# Allegro board com_v1_p3.brd (continued)
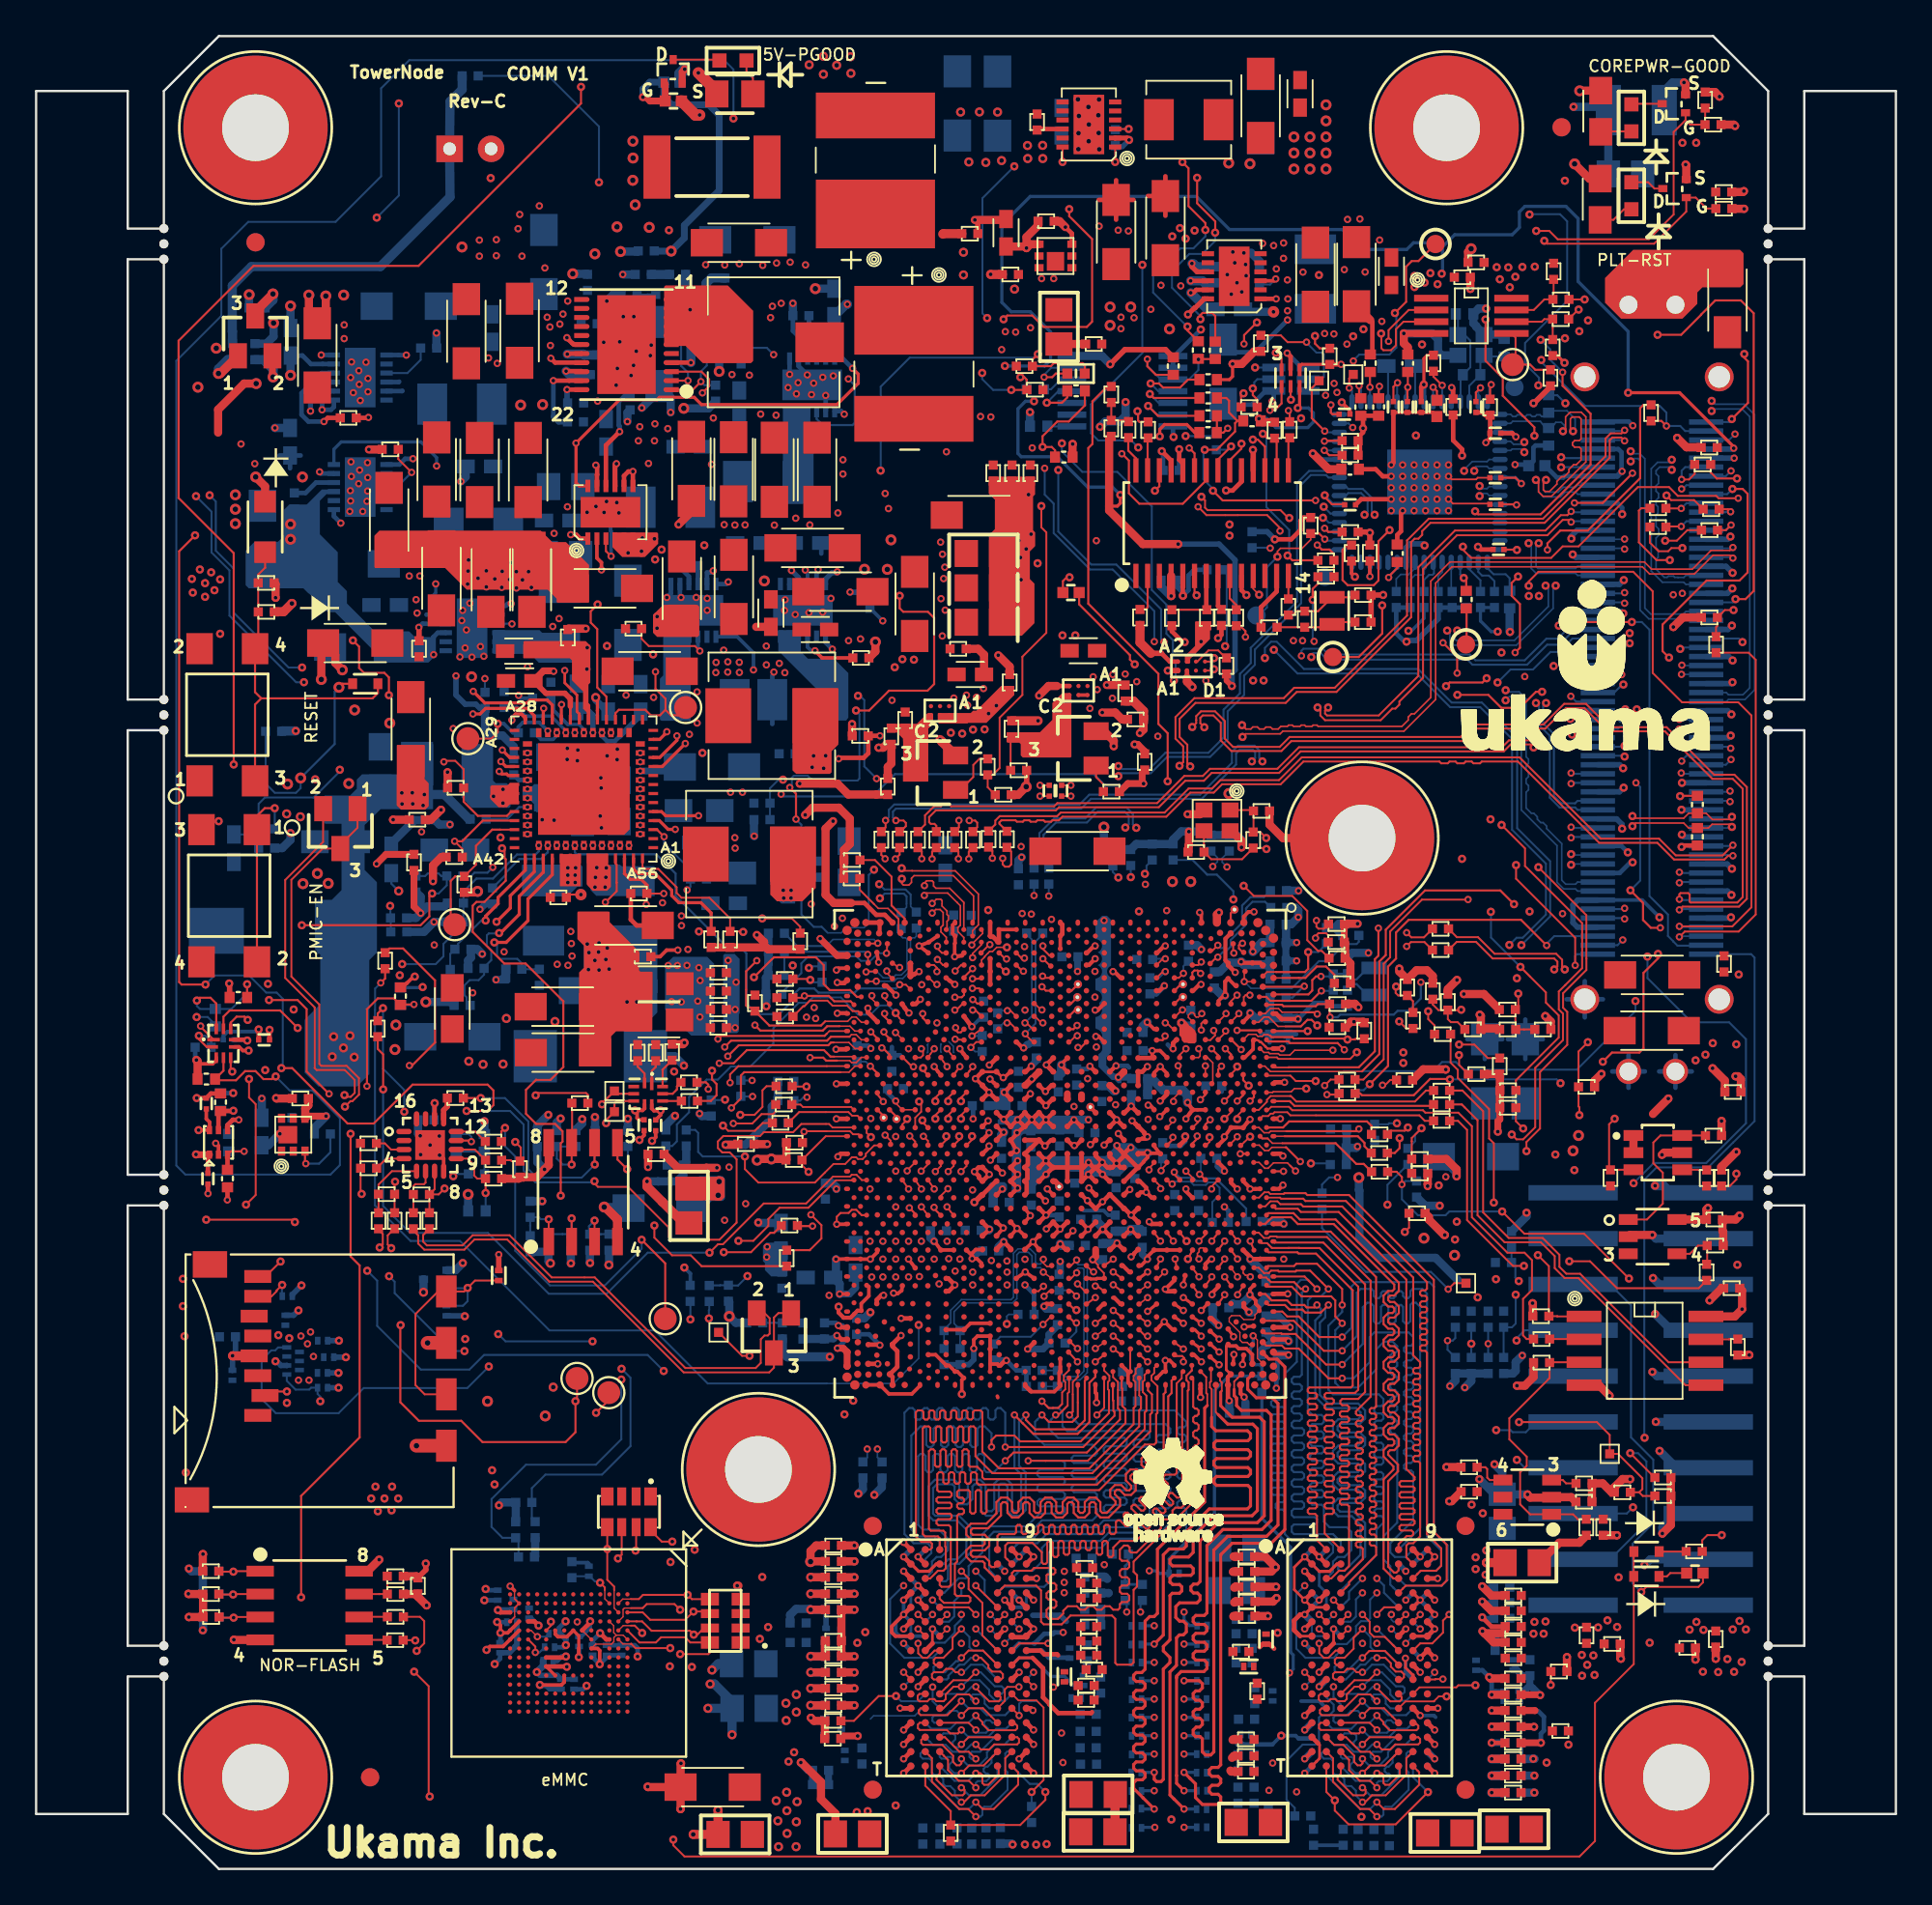
[diagram p0: board, top side]
## Routing (per net, layer and track width the routed paths; a pad name or vN(x,y) marks a point on that pad's centre or on a via; arc(x,y) is an arc through that point) (continued)
  BOTTOM w0.109: U24.H3 75.15,12.45 v2(74.3,13.3)
M_A_DQ21: length 32.9
  TOP w0.114: v2(67.28,34.8) U3C1.C38
  L8_SIG4 w0.102: v2(67.28,34.8) 68.18,34.8 68.18,34.8 69.98,34.8 75.8,28.97 75.8,28.68 75.55,28.43 75.55,28.02 75.8,27.77 75.8,27.36 75.55,27.11 75.55,26.7 75.8,26.45 75.8,26.04 75.55,25.79 75.55,25.38 75.8,25.13 75.8,24.72 75.55,24.47 75.55,24.06 75.8,23.81 75.8,23.4 75.55,23.15 75.55,22.74 75.8,22.49 75.8,22.08 75.55,21.82 75.55,21.42 75.8,21.16 75.8,20.76 75.55,20.5 75.55,20.1 75.8,19.84 75.8,19.44 75.55,19.18 75.55,18.78 75.8,18.52 75.8,18.05 75.52,17.77 75.52,15.73 75.09,15.3 v2(74.3,15.3)
  BOTTOM w0.109: v2(74.3,15.3) 73.92,14.93 73.92,13.89 73.77,13.73 73.42,13.73 73.14,13.45 73.14,12.97 72.63,12.46 71.87,12.46 71.79,12.39 71.78,12.39 U24.H8
M_A_DQ22: length 33
  TOP w0.114: v2(65.86,31.83) U3C1.G44
  L8_SIG4 w0.102: v2(65.86,31.83) 65.86,31.42 66.79,30.5 67.42,30.5 68.18,29.74 68.18,26.43 68.3,26.31 68.45,26.31 68.57,26.19 68.57,26.02 68.45,25.91 68.3,25.91 68.18,25.79 68.18,25.62 68.3,25.5 68.45,25.5 68.57,25.38 68.57,25.21 68.45,25.09 68.3,25.09 68.18,24.97 68.18,24.8 68.3,24.69 68.45,24.69 68.57,24.57 68.57,24.4 68.45,24.28 68.3,24.28 68.18,24.16 68.18,23.99 68.3,23.87 68.45,23.87 68.57,23.75 68.57,23.59 68.45,23.47 68.3,23.47 68.18,23.35 68.18,23.18 68.3,23.06 68.45,23.06 68.57,22.94 68.57,22.77 68.45,22.65 68.3,22.65 68.18,22.53 68.18,22.37 68.3,22.25 68.45,22.25 68.57,22.13 68.57,21.96 68.45,21.84 68.3,21.84 68.18,21.72 68.18,21.55 68.3,21.43 68.45,21.43 68.57,21.32 68.57,21.15 68.45,21.03 68.3,21.03 68.18,20.91 68.18,20.74 68.3,20.62 68.45,20.62 68.57,20.5 68.57,20.33 68.45,20.22 68.3,20.22 68.18,20.1 68.18,19.93 68.3,19.81 68.45,19.81 68.57,19.69 68.57,19.52 68.45,19.4 68.3,19.4 68.18,19.28 68.18,19.12 68.3,19 68.45,19 68.57,18.88 68.57,18.71 68.45,18.59 68.3,18.59 68.18,18.47 68.18,14.88 70.18,12.88 70.94,12.88 75.52,12.88 v2(75.9,12.5)
  BOTTOM w0.109: U24.G2 v2(75.9,12.5)
M_A_DQ23: length 33.1
  TOP w0.114: v2(66.58,31.83) U3C1.D42
  L8_SIG4 w0.102: v2(70.3,15.7) 70.72,16.12 70.72,18.82 69.96,19.58 69.96,20.26 70.08,20.38 70.35,20.38 70.47,20.5 70.47,20.67 70.35,20.79 70.08,20.79 69.96,20.91 69.96,21.08 70.08,21.2 70.35,21.2 70.47,21.32 70.47,21.48 70.35,21.6 70.08,21.6 69.96,21.72 69.96,21.89 70.08,22.01 70.35,22.01 70.47,22.13 70.47,22.3 70.35,22.42 70.08,22.42 69.96,22.53 69.96,22.7 70.08,22.82 70.35,22.82 70.47,22.94 70.47,23.11 70.35,23.23 70.08,23.23 69.96,23.35 69.96,23.52 70.08,23.63 70.35,23.63 70.47,23.75 70.47,23.92 70.35,24.04 70.08,24.04 69.96,24.16 69.96,24.33 70.08,24.45 70.35,24.45 70.47,24.57 70.47,24.73 70.35,24.85 70.08,24.85 69.96,24.97 69.96,25.14 70.08,25.26 70.35,25.26 70.47,25.38 70.47,25.55 70.35,25.67 70.08,25.67 69.96,25.79 69.96,25.95 70.08,26.07 70.35,26.07 70.47,26.19 70.47,26.36 70.35,26.48 70.08,26.48 69.96,26.6 69.96,26.77 70.08,26.89 70.35,26.89 70.47,27 70.47,27.17 70.35,27.29 70.08,27.29 69.96,27.41 69.96,27.58 70.08,27.7 70.35,27.7 70.47,27.82 70.47,28.09 69.67,28.89 69.16,28.89 68.82,29.23 68.82,30.37 67.72,31.48 66.93,31.48 v2(66.58,31.83)
  BOTTOM w0.109: v2(70.3,15.7) 69.84,15.24 69.84,12.21 70.34,11.7 71.9,11.7 72.05,11.86 U24.H7
M_A_DQ24: length 31.7
  TOP w0.114: v2(70.98,32.15) 70.52,32.6 70.29,32.84 U3C1.A41
  BOTTOM w0.114: v2(70.98,32.15) 70.72,32.41 70.47,32.66 70.09,32.66 69.86,32.43 69.86,28.11 69.2,27.45 69.2,26.31 68.91,26.02 68.56,26.02 68.44,25.9 68.44,25.73 68.56,25.61 69.08,25.61 69.2,25.49 69.2,25.32 69.08,25.2 68.56,25.2 68.44,25.08 68.44,24.92 68.56,24.8 69.08,24.8 69.2,24.68 69.2,24.51 69.08,24.39 68.56,24.39 68.44,24.27 68.44,24.1 68.56,23.98 69.08,23.98 69.2,23.86 69.2,23.7 69.08,23.58 68.56,23.58 68.44,23.46 68.44,23.29 68.56,23.17 69.08,23.17 69.2,23.05 69.2,22.88 69.08,22.76 68.56,22.76 68.44,22.64 68.44,22.48 68.56,22.36 69.08,22.36 69.2,22.24 69.2,22.07 69.08,21.95 68.56,21.95 68.44,21.83 68.44,21.66 68.56,21.54 69.08,21.54 69.2,21.43 69.2,21.26 69.08,21.14 68.56,21.14 68.44,21.02 68.44,20.85 68.56,20.73 69.08,20.73 69.2,20.61 69.2,20.44 69.08,20.33 68.79,20.33 68.69,20.22 68.69,20.02 68.79,19.92 69.08,19.92 69.2,19.8 69.2,18.56 69.58,18.18 71.61,18.18 71.87,17.93 71.87,17.54 71.5,17.18 U24.B8
M_A_DQ25: length 31.7
  TOP w0.102: 68.29,32.65 68.16,32.78 67.88,32.78 U3C1.C41
  TOP w0.114: v2(70.34,32.15) 70.09,32.15 69.71,32.53 68.43,32.53 68.31,32.65 68.29,32.65
  BOTTOM w0.114: v2(70.34,32.15) 70.14,31.95 70.14,27.4 70.02,27.28 69.7,27.28 69.58,27.16 69.58,26.99 69.7,26.87 70.02,26.87 70.14,26.75 70.14,26.59 70.02,26.47 69.7,26.47 69.58,26.35 69.58,26.18 69.7,26.06 70.02,26.06 70.14,25.94 70.14,25.77 70.02,25.65 69.7,25.65 69.58,25.54 69.58,25.37 69.7,25.25 70.02,25.25 70.14,25.13 70.14,24.96 70.02,24.84 69.7,24.84 69.58,24.72 69.58,24.55 69.7,24.43 70.15,24.43 70.27,24.32 70.27,24.15 70.15,24.03 69.7,24.03 69.58,23.91 69.58,23.74 69.7,23.62 70.15,23.62 70.27,23.5 70.27,23.33 70.15,23.22 69.7,23.22 69.58,23.1 69.58,22.93 69.7,22.81 70.15,22.81 70.27,22.69 70.27,22.52 70.15,22.4 69.7,22.4 69.58,22.28 69.58,22.12 69.7,22 70.15,22 70.27,21.88 70.27,21.71 70.15,21.59 69.7,21.59 69.58,21.47 69.58,21.3 69.7,21.18 70.15,21.18 70.27,21.06 70.27,20.9 70.15,20.78 69.7,20.78 69.58,20.66 69.58,20.49 69.7,20.37 70.15,20.37 70.27,20.25 70.27,20.08 70.15,19.96 69.7,19.96 69.58,19.85 69.58,19.62 69.7,19.5 70.86,19.5 70.98,19.38 70.98,19.21 70.86,19.09 69.7,19.09 69.58,18.97 69.58,18.69 69.71,18.56 71.87,18.56 72.3,18.13 U24.A7
M_A_DQ26: length 31.8
  TOP w0.114: U3C1.A45 69.06,30.9 69.33,30.63 69.96,30.63 71.11,29.48 v2(72.38,29.48)
  BOTTOM w0.114: U24.C3 75.91,15.7 77.89,15.7 78.22,16.02 78.22,17.93 77.46,18.69 77.46,32.28 77.2,32.53 73.14,32.53 72.88,32.28 72.88,29.99 72.79,29.9 v2(72.38,29.48)
M_A_DQ27: length 31.7
  TOP w0.114: U3C1.B46 69.7,30.38 71.36,28.72 v2(72.38,28.72)
  BOTTOM w0.114: U24.C2 76.58,16.39 76.73,16.53 77.58,16.53 77.86,16.81 77.86,17.65 77.07,18.43 77.07,31.9 76.82,32.15 76.28,32.15 76.16,32.03 76.16,31.76 76.04,31.64 75.87,31.64 75.75,31.76 75.75,31.92 75.65,32.02 75.45,32.02 75.34,31.92 75.34,31.76 75.23,31.64 75.06,31.64 74.94,31.76 74.94,31.92 74.84,32.02 74.63,32.02 74.53,31.92 74.53,31.76 74.41,31.64 74.24,31.64 74.13,31.76 74.13,32.03 74.01,32.15 73.39,32.15 73.19,31.95 73.19,29.53 72.82,29.16 v2(72.38,28.72)
M_A_DQ28: length 31.7
  TOP w0.102: 68.44,33.17 68.31,33.03 68.04,33.03 67.75,33.33 U3C1.C40
  TOP w0.114: 68.44,33.17 68.82,33.17 68.87,33.12 69.78,33.12 69.84,33.17 70.6,33.17 71.27,32.49 v2(71.61,32.15)
  BOTTOM w0.114: U24.C8 71.87,16.47 71.87,17.04 72.12,17.29 72.5,17.29 72.88,17.67 72.88,18.69 72.63,18.94 71.67,18.94 71.36,19.26 71.36,20.07 71.24,20.19 70.72,20.19 70.6,20.31 70.6,20.48 70.72,20.59 71.24,20.59 71.36,20.71 71.36,20.88 71.24,21 70.72,21 70.6,21.12 70.6,21.29 70.72,21.41 71.24,21.41 71.36,21.53 71.36,21.7 71.24,21.81 70.72,21.81 70.6,21.93 70.6,22.1 70.72,22.22 71.24,22.22 71.36,22.34 71.36,22.51 71.24,22.63 70.72,22.63 70.6,22.75 70.6,22.91 70.72,23.03 71.24,23.03 71.36,23.15 71.36,23.32 71.24,23.44 70.72,23.44 70.6,23.56 70.6,23.73 70.72,23.85 71.24,23.85 71.36,23.97 71.36,24.13 71.24,24.25 70.72,24.25 70.6,24.37 70.6,24.54 70.72,24.66 71.24,24.66 71.36,24.78 71.36,25.04 71.23,25.16 70.72,25.16 70.47,25.42 70.47,31.51 70.71,31.75 71.21,31.75 v2(71.61,32.15)
M_A_DQ29: length 31.7
  TOP w0.114: U3C1.B40 68.28,33.42 69.71,33.42 69.84,33.55 70.98,33.55 72.38,32.15 v2(72.38,31.26)
  BOTTOM w0.114: v2(72.38,31.26) 72.38,30.88 71.61,30.12 71.61,26.56 71.87,26.31 74.41,26.31 74.66,26.05 74.66,25.78 74.54,25.66 74.27,25.66 74.15,25.54 74.15,25.37 74.27,25.25 74.54,25.25 74.66,25.13 74.66,24.96 74.54,24.85 74.27,24.85 74.15,24.73 74.15,24.56 74.27,24.44 74.54,24.44 74.66,24.32 74.66,24.15 74.54,24.03 74.27,24.03 74.15,23.91 74.15,23.75 74.27,23.63 74.54,23.63 74.66,23.51 74.66,23.34 74.54,23.22 74.27,23.22 74.15,23.1 74.15,22.93 74.27,22.81 74.54,22.81 74.66,22.69 74.66,22.53 74.54,22.41 74.27,22.41 74.15,22.29 74.15,22.12 74.27,22 74.54,22 74.66,21.88 74.66,21.71 74.54,21.59 74.27,21.59 74.15,21.48 74.15,21.31 74.27,21.19 74.54,21.19 74.66,21.07 74.66,20.9 74.54,20.78 74.27,20.78 74.15,20.66 74.15,20.49 74.27,20.37 74.54,20.37 74.66,20.26 74.66,20.09 74.54,19.97 74.27,19.97 74.15,19.85 74.15,19.68 74.27,19.56 74.54,19.56 74.66,19.44 74.66,19.2 74.28,18.81 74.28,17.42 72.3,15.44
  BOTTOM w0.119: U24.D7 72.3,15.44
M_A_DQ30: length 31.8
  TOP w0.114: v2(72.38,27.2) 71.61,27.2 69.96,28.85 69.2,28.85 69.04,29.01 68.42,29.01 68.42,29.01 68.16,29.01 U3C1.B48
  BOTTOM w0.114: U24.A2 76,17.4 75.89,17.29 75.3,17.29 75.04,17.54 75.04,18.05 76.31,19.32 76.31,21.98 76.19,22.09 75.92,22.09 75.8,22.21 75.8,22.38 75.92,22.5 76.19,22.5 76.31,22.62 76.31,22.79 76.19,22.91 75.92,22.91 75.8,23.03 75.8,23.19 75.92,23.31 76.19,23.31 76.31,23.43 76.31,23.6 76.19,23.72 75.92,23.72 75.8,23.84 75.8,24.01 75.92,24.13 76.19,24.13 76.31,24.25 76.31,24.41 76.19,24.53 75.92,24.53 75.8,24.65 75.8,24.82 75.92,24.94 76.19,24.94 76.31,25.06 76.31,25.23 76.19,25.35 75.92,25.35 75.8,25.46 75.8,25.63 75.92,25.75 76.19,25.75 76.31,25.87 76.31,26.04 76.19,26.16 75.92,26.16 75.8,26.28 75.8,26.45 75.92,26.56 76.19,26.56 76.31,26.68 76.31,26.85 76.19,26.97 75.92,26.97 75.8,27.09 75.8,27.26 75.92,27.38 76.19,27.38 76.31,27.5 76.31,27.66 76.19,27.78 75.92,27.78 75.8,27.9 75.8,28.07 75.92,28.19 76.19,28.19 76.31,28.31 76.31,28.48 76.19,28.6 75.92,28.6 75.8,28.72 75.8,28.88 75.92,29 76.19,29 76.31,29.12 76.31,29.48 76.06,29.74 74.15,29.74 73.9,29.48 73.9,28.09 73.01,27.2 v2(72.38,27.2)
M_A_DQ31: length 31.6
  TOP w0.114: v2(72.38,27.96) 71.49,27.96 69.79,29.65 69.03,29.65 69,29.69 68.09,29.69 U3C1.B47
  BOTTOM w0.114: U24.A3 75.82,18.03 76.69,18.9 76.69,31.16 76.46,31.39 76.27,31.39 76.15,31.27 76.15,30.36 76.03,30.24 75.86,30.24 75.75,30.36 75.75,31.16 75.64,31.26 75.44,31.26 75.34,31.16 75.34,30.36 75.22,30.24 75.05,30.24 74.93,30.36 74.93,31.16 74.83,31.26 74.63,31.26 74.53,31.16 74.53,30.36 74.41,30.24 74.24,30.24 74.12,30.36 74.12,31.21 73.94,31.39 73.77,31.39 73.52,31.13 73.52,29.1 72.81,28.39 v2(72.38,27.96)
M_A_DQ32: length 31.8
  TOP w0.114: U3C1.K52 64.12,27.14 64.12,25.62 64.22,25.52 64.32,25.52 64.42,25.42 64.42,25.21 64.32,25.11 64.22,25.11 64.12,25.01 64.12,24.81 64.22,24.71 64.32,24.71 64.42,24.6 64.42,24.4 64.32,24.3 64.22,24.3 64.12,24.2 64.12,23.99 64.22,23.89 64.3,23.89 64.42,23.77 64.42,23.59 64.32,23.49 64.24,23.49 64.12,23.37 64.12,23.18 64.22,23.08 64.32,23.08 64.42,22.98 64.42,22.77 64.32,22.67 64.22,22.67 64.12,22.57 64.12,22.37 64.22,22.27 64.32,22.27 64.42,22.17 64.42,21.92 64.32,21.82 64.22,21.82 64.12,21.72 64.12,21.53 64.24,21.41 64.32,21.41 64.42,21.31 64.42,20.64 60.82,17.04 60.82,16.47 61.01,16.28 61.01,15.66 60.82,15.47 60.82,11.45 60.69,11.32 59.9,11.32 59.8,11.42 59.8,13.86 59.61,14.05 57.32,14.05 56.83,13.56 55.84,13.56 55.69,13.71 55.69,15.44 55.42,15.7 53.67,15.7 53.54,15.57 U37.D7
M_A_DQ33: length 31.8
  TOP w0.114: U37.C8 54.08,16.11 54.08,16.4 54.2,16.53 55.15,16.53 55.3,16.68 56.38,16.68 56.48,16.59 56.48,16.42 56.38,16.33 56.05,16.33 55.99,16.27 55.99,15.96 56.11,15.84 56.42,15.84 56.53,15.73 56.53,15.5 56.42,15.39 56.11,15.39 55.99,15.27 55.99,15.04 56.11,14.93 56.42,14.93 56.53,14.82 56.53,14.59 56.42,14.47 56.11,14.47 55.99,14.36 55.99,13.99 56.12,13.86 56.63,13.86 56.92,14.15 56.92,14.31 57.17,14.56 57.67,14.56 57.86,14.37 58.12,14.37 58.32,14.56 58.58,14.56 58.77,14.37 59.04,14.37 59.23,14.56 59.5,14.56 59.69,14.37 59.95,14.37 60.06,14.47 60.06,14.68 60.17,14.8 60.46,14.8 60.58,14.91 60.58,15.14 60.46,15.25 60.17,15.25 60.06,15.37 60.06,15.6 60.17,15.71 60.46,15.71 60.58,15.82 60.58,16.05 60.46,16.17 60.17,16.17 60.06,16.28 60.06,16.51 60.17,16.62 60.46,16.62 60.58,16.74 60.58,16.97 60.46,17.08 60.17,17.08 60.06,17.2 60.06,17.7 60.28,17.93 60.49,17.93 60.6,17.82 60.6,17.62 60.68,17.54 60.98,17.54 61.68,18.24 61.68,18.41 61.68,18.41 61.68,18.57 61.84,18.73 62,18.73 62.01,18.73 62.17,18.73 62.33,18.89 62.33,19.05 62.33,19.06 62.33,19.22 62.49,19.38 62.65,19.38 62.65,19.38 62.81,19.38 62.98,19.54 62.98,19.7 62.97,19.7 62.97,19.87 63.13,20.03 63.3,20.03 63.3,20.02 63.46,20.02 64.04,20.61 64.04,21.2 63.82,21.43 63.82,26.51 63.87,26.56 63.87,26.97 63.75,27.09 63.75,27.34 64.04,27.63 U3C1.K51
M_A_DQ34: length 31.7
  TOP w0.086: 61.13,27.14 U3C1.T52
  TOP w0.102: 61.13,27.14 61.13,26.25 61.22,26.16
  TOP w0.114: U37.A3 50.07,18.33 49.97,18.43 49.26,18.43 49.13,18.56 49.13,24.43 49.24,24.53 49.46,24.53 49.55,24.44 49.55,23.73 49.64,23.64 49.77,23.64 49.86,23.73 49.86,24.44 49.95,24.53 50.07,24.53 50.16,24.44 50.16,23.73 50.25,23.64 50.38,23.64 50.47,23.73 50.47,24.44 50.56,24.53 50.68,24.53 50.77,24.44 50.77,23.73 50.86,23.64 50.99,23.64 51.08,23.73 51.08,24.44 51.17,24.53 51.29,24.53 51.38,24.44 51.38,23.73 51.47,23.64 51.6,23.64 51.69,23.73 51.69,24.44 51.78,24.53 51.95,24.53 52.06,24.43 52.06,22.88 53,21.94 58.53,21.94 61.13,24.54 61.13,25.43 61.22,25.53 61.22,26.16
M_A_DQ35: length 31.8
  TOP w0.102: 60.92,25.65 60.92,26.99 60.82,27.09 60.82,27.34 60.93,27.45 60.93,27.72 U3C1.T51
  TOP w0.114: 60.92,25.65 60.82,25.55 60.82,24.66 58.37,22.2 53.36,22.2 52.44,23.13 52.44,25.32 52.33,25.42 52.01,25.42 51.92,25.33 51.92,25 51.83,24.91 51.7,24.91 51.61,25 51.61,25.33 51.52,25.42 51.4,25.42 51.31,25.33 51.31,25 51.22,24.91 51.09,24.91 51,25 51,25.33 50.91,25.42 50.79,25.42 50.7,25.33 50.7,25 50.61,24.91 50.48,24.91 50.39,25 50.39,25.33 50.3,25.42 50.18,25.42 50.09,25.33 50.09,25 50,24.91 49.87,24.91 49.78,25 49.78,25.33 49.69,25.42 49.57,25.42 49.48,25.33 49.48,25 49.39,24.91 49.26,24.91 49.17,25 49.17,25.33 49.08,25.42 48.85,25.42 48.75,25.32 48.75,18.43 49.06,18.13 49.54,18.13 49.64,18.03 49.64,17.8 49.54,17.7 U37.A2
M_A_DQ36: length 31.7
  TOP w0.102: 63.21,26.92 63.49,27.2 63.49,27.5 U3C1.L51
  TOP w0.114: 63.21,26.92 63.21,21.96 63.1,21.85 62.57,21.85 62.47,21.75 62.47,21.61 62.72,21.35 62.72,21.23 62.65,21.16 62.53,21.16 62.21,21.48 62.08,21.48 61.99,21.39 61.99,21.26 62.31,20.94 62.31,20.82 62.22,20.73 62.1,20.73 61.78,21.05 61.65,21.05 61.56,20.96 61.56,20.83 61.88,20.51 61.88,20.39 61.79,20.3 61.67,20.3 61.35,20.62 61.22,20.62 61.13,20.53 61.13,20.4 61.45,20.08 61.45,19.96 61.36,19.87 61.24,19.87 60.92,20.18 60.79,20.18 60.7,20.1 60.7,19.97 61.02,19.65 61.02,19.52 60.93,19.44 60.8,19.44 60.49,19.75 60.36,19.75 60.27,19.66 60.27,19.54 60.59,19.22 60.59,19.09 60.5,19 60.37,19 60.06,19.32 59.93,19.32 59.84,19.23 59.84,18.66 59.74,18.56 59.58,18.56 59.49,18.65 59.49,18.98 59.4,19.07 59.27,19.07 59.18,18.98 59.18,18.65 59.09,18.56 58.97,18.56 58.88,18.65 58.88,18.98 58.79,19.07 58.66,19.07 58.57,18.98 58.57,18.65 58.48,18.56 58.36,18.56 58.27,18.65 58.27,18.98 58.18,19.07 58.05,19.07 57.96,18.98 57.96,18.65 57.87,18.56 57.75,18.56 57.66,18.65 57.66,18.98 57.57,19.07 57.44,19.07 57.35,18.98 57.35,18.65 57.26,18.56 57.14,18.56 57.05,18.65 57.05,18.98 56.96,19.07 56.83,19.07 56.74,18.98 56.74,18.65 56.65,18.56 56.53,18.56 56.44,18.65 56.44,18.98 56.35,19.07 56.22,19.07 56.13,18.98 56.13,18.65 56.04,18.56 55.92,18.56 55.83,18.65 55.83,18.98 55.74,19.07 55.61,19.07 55.52,18.98 55.52,18.65 55.43,18.56 55.31,18.56 55.22,18.65 55.22,18.98 55.13,19.07 55,19.07 54.91,18.98 54.91,18.65 54.83,18.56 54.7,18.56 54.61,18.65 54.61,18.98 54.52,19.07 54.39,19.07 54.3,18.98 54.3,18.65 54.22,18.56 53.38,18.56 53.27,18.46 U37.A7
M_A_DQ37: length 31.7
  TOP w0.114: U3C1.L53 63.51,26.78 63.51,20.75 63.35,20.58 63.22,20.58 62.97,20.84 62.84,20.84 62.75,20.75 62.75,20.62 63.01,20.37 63.01,20.24 62.92,20.15 62.79,20.15 62.54,20.41 62.41,20.41 62.32,20.32 62.32,20.19 62.58,19.94 62.58,19.81 62.49,19.72 62.36,19.72 62.11,19.98 61.98,19.98 61.89,19.89 61.89,19.76 62.15,19.51 62.15,19.38 62.06,19.29 61.93,19.29 61.67,19.55 61.55,19.55 61.46,19.46 61.46,19.33 61.71,19.08 61.71,18.95 61.62,18.86 61.5,18.86 61.24,19.11 61.12,19.11 61.03,19.02 61.03,18.9 61.28,18.64 61.28,18.52 60.95,18.18 60.06,18.18 59.69,17.81 59.69,17.38 59.6,17.29 59.48,17.29 59.39,17.38 59.39,18.09 59.3,18.18 59.17,18.18 59.08,18.09 59.08,17.51 58.99,17.42 58.87,17.42 58.78,17.51 58.78,18.09 58.69,18.18 58.56,18.18 58.47,18.09 58.47,17.76 58.38,17.67 58.26,17.67 58.17,17.76 58.17,18.09 58.08,18.18 57.95,18.18 57.86,18.09 57.86,17.76 57.77,17.67 57.65,17.67 57.56,17.76 57.56,18.09 57.47,18.18 57.34,18.18 57.25,18.09 57.25,17.51 57.16,17.42 57.04,17.42 56.95,17.51 56.95,18.09 56.86,18.18 56.73,18.18 56.64,18.09 56.64,17.38 56.55,17.29 56.43,17.29 56.34,17.38 56.34,18.09 56.25,18.18 56.12,18.18 56.03,18.09 56.03,17 55.94,16.91 55.82,16.91 55.73,17 55.73,17.55 55.21,18.07 53.85,18.07 53.71,17.93 53.71,17.27 53.81,17.17 U37.B8
M_A_DQ38: length 31.7
  TOP w0.102: 61.53,26.23 61.33,26.43 61.33,27 61.42,27.09 61.42,27.38 U3C1.R51
  TOP w0.114: 61.53,26.23 61.53,25.4 61.43,25.3 61.43,24.38 58.66,21.61 52.54,21.61 52.44,21.71 52.44,22.01 52.16,22.29 51.76,22.29 51.67,22.38 51.67,23.16 51.57,23.26 51.42,23.26 51.33,23.17 51.33,22.38 51.24,22.29 51.12,22.29 51.03,22.38 51.03,23.17 50.94,23.26 50.81,23.26 50.72,23.17 50.72,22.38 50.63,22.29 50.51,22.29 50.42,22.38 50.42,23.17 50.33,23.26 50.2,23.26 50.11,23.17 50.11,22.38 50.02,22.29 49.9,22.29 49.81,22.38 49.81,23.17 49.72,23.26 49.57,23.26 49.47,23.16 49.47,18.86 49.58,18.75 50.28,18.75 50.38,18.65 50.38,17.87 50.41,17.84 50.41,16.66 50.28,16.53 49.97,16.53 49.55,16.1 U37.C2
M_A_DQ39: length 31.7
  TOP w0.114: U37.C3 50.07,15.74 50.18,15.64 50.58,15.64 50.68,15.74 50.68,18.95 50.58,19.05 50,19.05 49.9,19.15 49.9,19.3 49.99,19.39 50.65,19.39 50.73,19.48 50.73,19.6 50.65,19.69 49.99,19.69 49.9,19.78 49.9,19.91 49.99,20 50.65,20 50.73,20.09 50.73,20.21 50.65,20.3 49.99,20.3 49.9,20.39 49.9,20.52 49.99,20.61 50.65,20.61 50.73,20.7 50.73,20.82 50.65,20.91 50.03,20.91 49.94,21 49.94,21.89 50.04,21.99 50.18,21.99 50.27,21.9 50.27,21.44 50.36,21.35 50.49,21.35 50.58,21.44 50.58,21.9 50.67,21.99 50.79,21.99 50.88,21.9 50.88,21.44 50.97,21.35 51.1,21.35 51.19,21.44 51.19,21.9 51.28,21.99 51.4,21.99 51.49,21.9 51.49,21.44 51.58,21.35 51.71,21.35 51.8,21.44 51.8,21.9 51.89,21.99 52.03,21.99 52.13,21.89 52.13,21.41 52.23,21.3 58.79,21.3 61.74,24.26 61.74,25.19 61.83,25.29 61.83,26.31 61.61,26.53 U3C1.R53
M_A_DQ40: length 31.9
  TOP w0.109: v2(52.07,14.1) 51.67,14.5 U37.E3
  TOP w0.112: v2(61.59,29.54) 61.47,29.54 U3C1.T47
  L3_SIG1 w0.102: v2(61.59,29.54) 61.04,28.98 61.04,28.34 61.04,27.61 61.2,27.45 61.2,25.48 61.08,25.36 60.61,25.36 60.49,25.24 60.49,25.07 60.61,24.95 61.08,24.95 61.2,24.83 61.2,24.67 61.08,24.55 60.61,24.55 60.49,24.43 60.49,24.26 60.61,24.14 61.08,24.14 61.2,24.02 61.2,23.85 61.08,23.73 60.61,23.73 60.49,23.61 60.49,23.45 60.61,23.33 61.08,23.33 61.2,23.21 61.2,23.04 61.08,22.92 60.61,22.92 60.49,22.8 60.49,22.63 60.61,22.51 61.08,22.51 61.2,22.4 61.2,21.91 60.49,21.2 60.49,16.45 60.14,16.1 58.61,16.1 58.41,15.89 58.41,14.12 58.28,13.99 55.99,13.99 55.73,13.72 52.19,13.72 52.07,13.84 v2(52.07,14.1)
M_A_DQ41: length 31.9
  TOP w0.109: U37.F7 v2(53.67,14.1)
  TOP w0.114: U3C1.T45 v2(61.59,30.25)
  L3_SIG1 w0.102: v2(53.67,14.1) 54.09,14.52 54.09,15.05 54.32,15.28 55.46,15.28 55.87,14.88 57.54,14.88 57.64,14.98 57.64,16.53 57.82,16.71 58.56,16.71 58.66,16.81 58.66,17.06 58.56,17.16 58.13,17.16 58.02,17.27 58.02,17.42 58.13,17.52 59.19,17.52 59.29,17.62 59.29,17.77 59.18,17.89 58.13,17.89 58.02,17.99 58.02,18.19 58.13,18.29 59.18,18.29 59.29,18.41 59.29,18.58 59.18,18.7 58.13,18.7 58.02,18.8 58.02,19.01 58.13,19.11 59.18,19.11 59.29,19.23 59.29,19.39 59.14,19.55 58.13,19.55 58.03,19.65 58.03,19.84 58.15,19.96 59.17,19.96 59.29,20.08 59.29,20.97 59.81,21.49 59.81,26.19 60.56,26.94 60.56,29.61 61.2,30.25 v2(61.59,30.25)
M_A_DQ42: length 31.6
  TOP w0.109: U37.F2 v2(48.87,14.1)
  TOP w0.114: U3C1.Y40 v2(59.69,33.8)
  L3_SIG1 w0.102: v2(48.87,14.1) 48.87,14.36 49.25,14.75 49.25,15.02 49.33,15.1 49.33,17.49 49.43,17.59 49.43,17.89 49.32,18 49.32,18.15 49.46,18.29 49.61,18.29 49.71,18.19 49.92,18.19 50.36,18.62 50.36,19.15 50.48,19.27 50.65,19.27 50.8,19.12 50.96,19.12 51.08,19.24 51.08,19.41 50.93,19.56 50.93,19.73 51.05,19.84 51.22,19.84 51.37,19.7 51.54,19.7 51.66,19.81 51.66,19.98 51.51,20.13 51.51,20.3 51.63,20.42 51.8,20.42 51.94,20.27 52.11,20.27 52.23,20.39 52.23,20.56 52.08,20.71 52.08,20.87 52.2,20.99 52.37,20.99 52.52,20.84 52.69,20.84 52.81,20.96 52.81,21.13 52.66,21.28 52.66,21.45 52.78,21.57 52.95,21.57 53.09,21.42 53.26,21.42 53.38,21.54 53.38,21.71 53.23,21.86 53.23,22.02 53.35,22.14 53.52,22.14 53.67,22 53.81,22 54.75,22.94 54.75,23.08 54.6,23.23 54.6,23.4 54.72,23.52 54.89,23.52 55.04,23.37 55.24,23.37 56.88,25.01 56.88,25.55 57.26,25.93 57.26,26.94 58.1,27.78 58.1,34.15 58.2,34.25 59.24,34.25 v2(59.69,33.8)
M_A_DQ43: length 31.8
  TOP w0.109: U37.F8 v2(54.47,14.1)
  TOP w0.114: v2(59.69,33.09) U3C1.V41
  L3_SIG1 w0.102: v2(59.69,33.09) 61.09,33.09 61.45,32.74 61.75,32.74 61.92,32.57 61.92,32.56 61.95,32.53 61.95,30.76 61.95,30.1 61.74,29.89 61.35,29.89 60.82,29.36 60.82,26.69 60.18,26.05 60.18,20.95 60.06,20.83 59.79,20.83 59.68,20.71 59.68,20.54 59.79,20.42 60.06,20.42 60.18,20.3 60.18,20.14 60.06,20.02 59.79,20.02 59.68,19.9 59.68,19.73 59.79,19.61 60.06,19.61 60.18,19.49 60.18,19.32 60.06,19.2 59.79,19.2 59.68,19.09 59.68,18.92 59.79,18.8 60.06,18.8 60.18,18.68 60.18,18.51 60.06,18.39 59.79,18.39 59.68,18.27 59.68,18.1 59.79,17.99 60.06,17.99 60.18,17.87 60.18,17.7 60.06,17.58 59.79,17.58 59.68,17.46 59.68,17.29 59.79,17.17 60.06,17.17 60.18,17.05 60.18,16.66 59.93,16.41 58.28,16.41 58.02,16.15 58.02,14.62 57.9,14.5 54.87,14.5 54.75,14.38 v2(54.47,14.1)
M_A_DQ44: length 31.9
  TOP w0.109: U37.H3 49.79,12.1 49.39,11.7 49.13,11.7 48.88,11.96 48.88,12.5 v2(48.87,12.5)
  TOP w0.114: U3C1.T48 v2(61.59,28.82)
  L3_SIG1 w0.102: v2(48.87,12.5) 49.23,12.5 49.35,12.38 49.35,12.2 49.47,12.08 49.64,12.08 49.75,12.2 49.75,12.51 49.87,12.63 50.04,12.63 50.16,12.51 50.16,12.2 50.28,12.08 50.45,12.08 50.57,12.2 50.57,12.5 50.99,12.92 55.81,12.92 56.07,13.18 56.07,13.44 56.25,13.61 58.66,13.61 58.78,13.73 58.78,15.63 58.89,15.74 60.28,15.74 60.72,16.18 60.72,21.01 61.5,21.79 61.5,27.65 61.24,27.92 61.24,27.97 61.24,28.26 61.24,28.47 61.31,28.54 v2(61.59,28.82)
M_A_DQ45: length 31.6
  TOP w0.109: v2(56.07,12.5) 54.47,12.5 U37.H8
  TOP w0.114: U3C1.T50 v2(61.59,28.11)
  L3_SIG1 w0.102: v2(56.07,12.5) 56.57,12.5 56.69,12.38 56.69,11.95 56.81,11.83 56.98,11.83 57.1,11.95 57.1,12.64 57.22,12.76 57.39,12.76 57.51,12.64 57.51,11.82 57.63,11.7 57.79,11.7 57.91,11.82 57.91,13.02 58.03,13.14 58.2,13.14 58.32,13.02 58.32,11.82 58.44,11.7 58.61,11.7 58.73,11.82 58.73,12.64 58.84,12.76 59.01,12.76 59.13,12.64 59.13,11.95 59.25,11.83 59.42,11.83 59.54,11.95 59.54,13.46 59.44,13.56 59.2,13.56 59.09,13.68 59.09,13.85 59.2,13.97 59.45,13.97 59.57,14.09 59.57,14.25 59.45,14.37 59.2,14.37 59.09,14.49 59.09,14.66 59.2,14.78 59.83,14.78 61,15.95 61,20.78 61.81,21.58 61.81,27.9 v2(61.59,28.11)
M_A_DQ46: length 32
  TOP w0.109: U37.G2 v2(48.87,13.3)
  TOP w0.114: v2(58.7,32.31) 58.7,32.38 U3C1.Y42
  L3_SIG1 w0.102: v2(58.7,32.31) 58.34,31.95 58.34,27.51 57.64,26.82 57.64,24.4 57.47,24.23 57.3,24.23 57.15,24.38 56.98,24.38 56.87,24.26 56.87,24.09 57.01,23.94 57.01,23.77 56.9,23.65 56.73,23.65 56.58,23.8 56.41,23.8 56.29,23.69 56.29,23.52 56.44,23.37 56.44,23.2 56.32,23.08 56.15,23.08 56,23.23 55.83,23.23 55.72,23.11 55.72,22.94 55.86,22.79 55.86,22.62 55.17,21.93 55,21.93 54.85,22.08 54.69,22.08 54.57,21.96 54.57,21.79 54.72,21.64 54.72,21.47 54.6,21.36 54.43,21.36 54.28,21.51 54.11,21.51 53.99,21.39 53.99,21.22 54.14,21.07 54.14,20.9 54.02,20.78 53.85,20.78 53.7,20.93 53.54,20.93 53.42,20.81 53.42,20.64 53.57,20.49 53.57,20.33 53.45,20.21 53.28,20.21 53.13,20.36 52.96,20.36 52.84,20.24 52.84,20.07 52.99,19.92 52.99,19.75 52.87,19.63 52.7,19.63 52.55,19.78 52.39,19.78 52.27,19.66 52.27,19.49 52.42,19.34 52.42,19.18 52.3,19.06 52.13,19.06 51.98,19.21 51.81,19.21 51.69,19.09 51.69,18.83 51.93,18.6 51.93,18.43 51.81,18.31 51.64,18.31 51.36,18.59 51.22,18.59 51.12,18.49 51.12,18.34 51.39,18.07 51.39,17.9 51.27,17.78 51.11,17.78 50.83,18.06 50.66,18.06 50.54,17.94 50.54,17.77 50.69,17.62 50.69,17.45 50.05,16.81 50.05,14.75 49.83,14.52 49.82,14.52 49.8,14.5 49.52,14.5 49.26,14.24 49.26,13.69 49.13,13.56 v2(48.87,13.3)
